# Altium PCB PROB_S7CAS_PCB.PcbDoc (part 5 of 6) (continued)
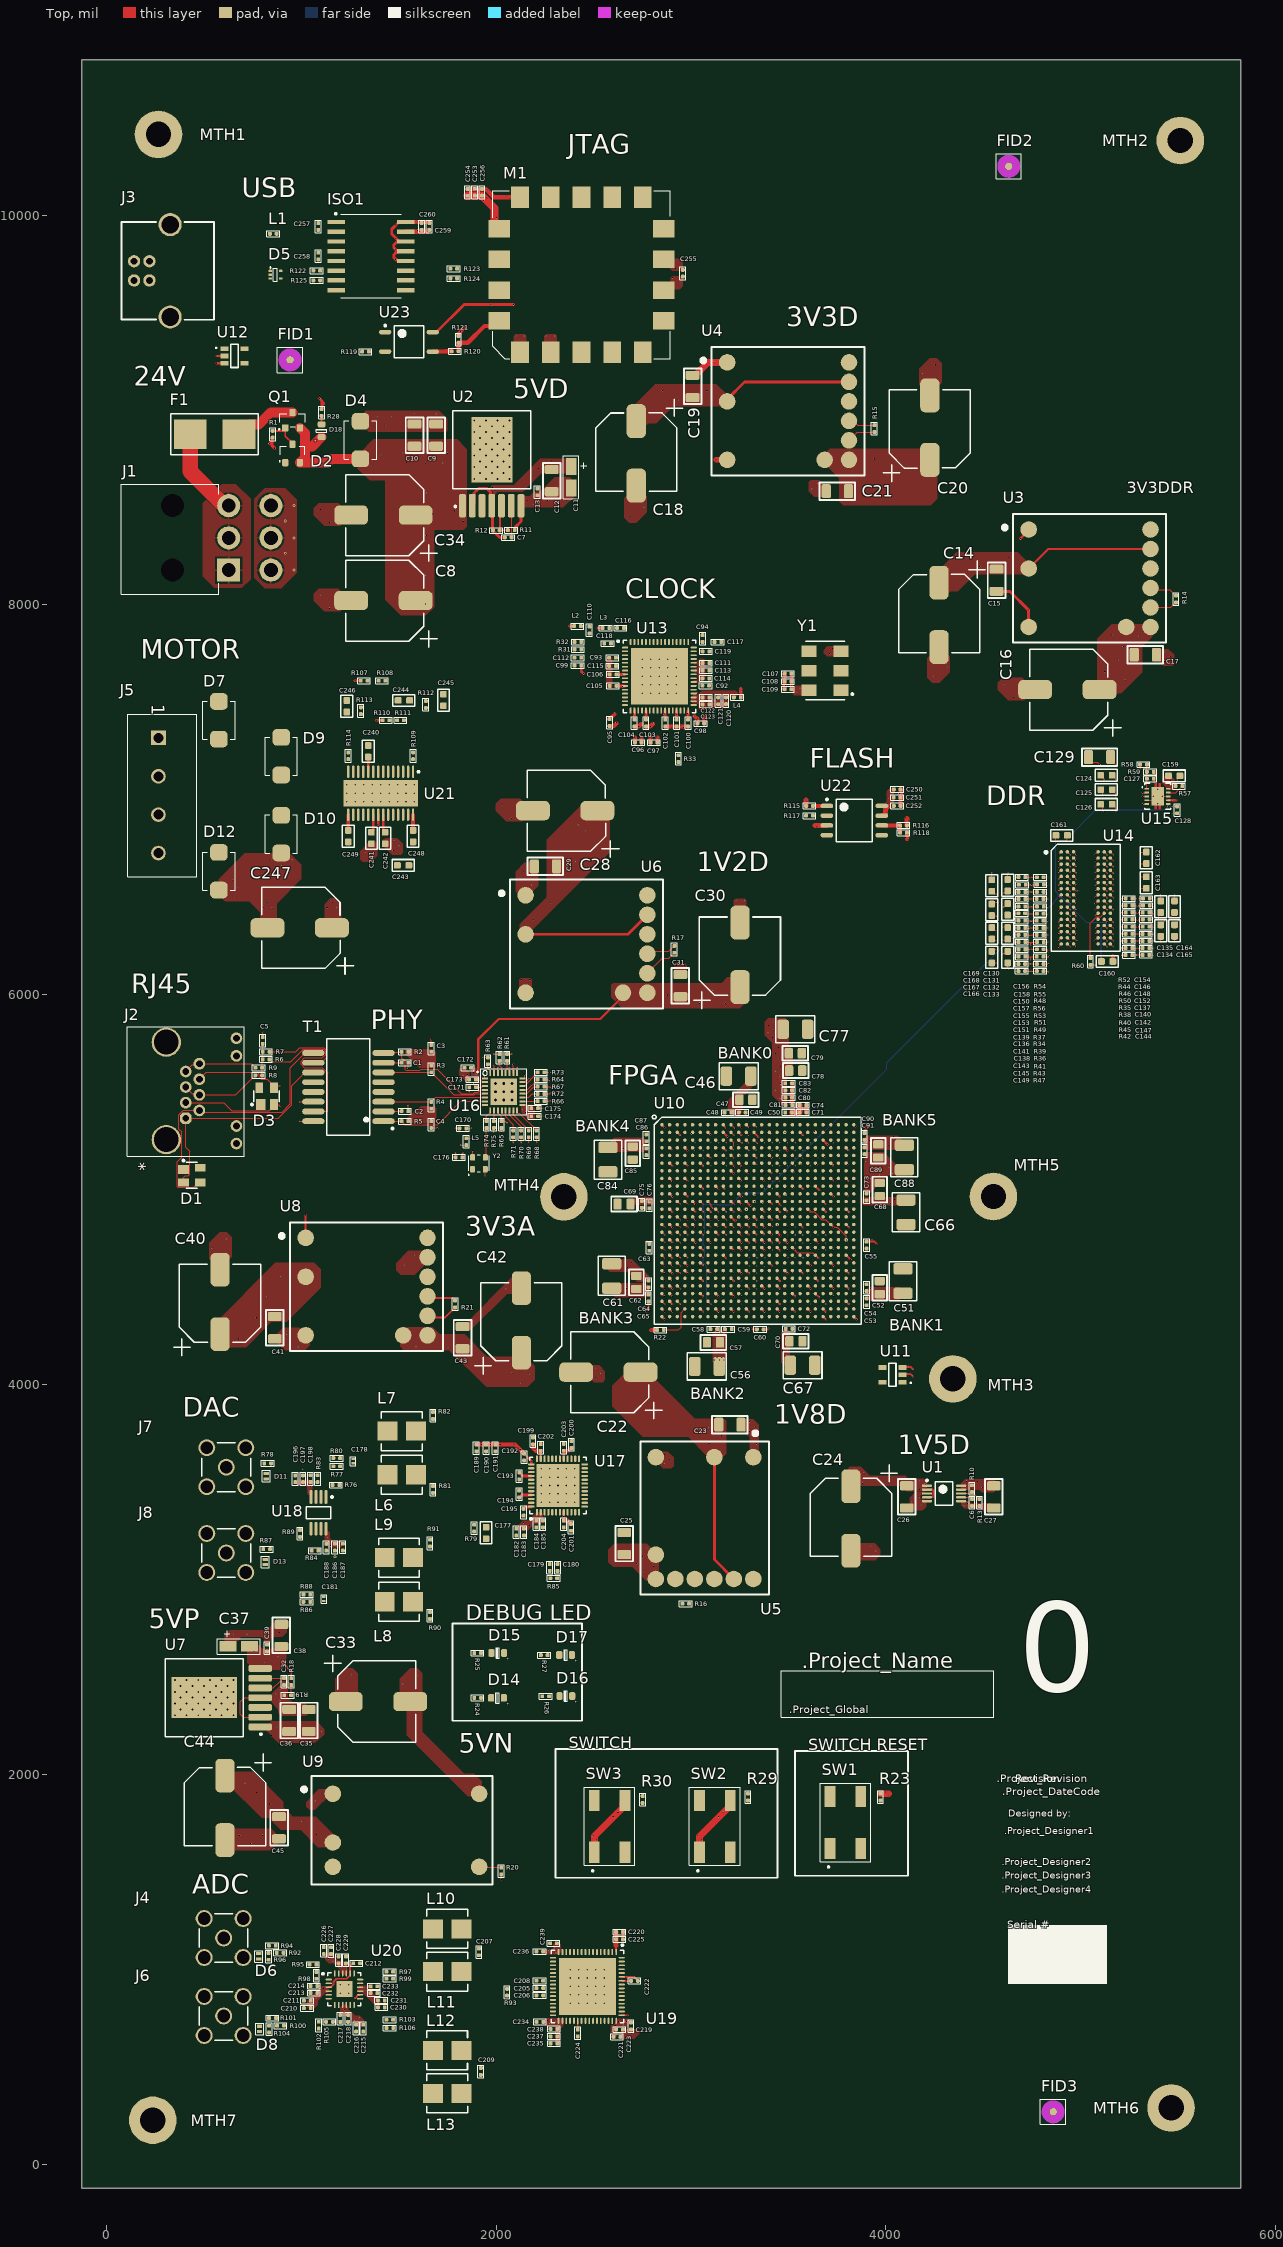
[diagram p0: Top view]
## Nets (pads, with @x,y where several pads share a name; then routed paths per layer and width w, separated by ;. In a path a pad name is that pad's centre, name@x,y a point inside that pad or via, vN(x,y) a via of type N, cw(c..) or ccw(c..) an arc to the next point about the centre after c; other vN are vias at no path point) (continued)
  Top w4: U7.2@789.57,2293.58 703.56,2293.58 687.54,2309.6 687.54,2371.79 709.33,2393.58 U7.4@789.57,2393.58 ; C5.1@802.62,5782.81 v1(802.63,5810) ; C2.1@1550.02,5402.78 v1(1550.02,5433.3) ; v1(1550.02,5620) C1.1@1550.02,5650.94 ; C3.1@1667.18,5742.37 1667.58,5742.76 1667.58,5773.85 v1(1667.97,5774.25) ; C4.1@1667.34,5316.24 1697.19,5316.24 1699.19,5314.24 v1(1700,5314.24) ; v1(1789.65,5190) 1789.65,5189.19 1792.42,5186.41 C176.1@1792.42,5165.59 ; v1(1789.65,5314.24) C170.1@1811.79,5314.24 ; v1(1861.65,5501.25) 1861.84,5501.44 1861.84,5525.19 C171.1@1862.03,5525.38 ; v1(1931.73,5594.33) 1942.56,5583.51 U16.1@1942.56,5571.1 ; v1(1944.51,5070) Y2.2@1944.51,5104.57 ; v1(1988.58,5293.54) R75.1@1988.58,5316.56 ; v1(2026.16,1460) R20.1@2026.16,1487.26 ; C174.1@2215.29,5376.25 2215.36,5376.31 2239.22,5376.31 v1(2239.28,5376.38) ; C175.1@2215.29,5417.78 v1(2239.28,5417.78) ; U13.36@3013.66,7544.99 3025.16,7544.99 3032.49,7552.32 v1(3032.77,7552.32) ; C166.1@4543.01,6163.39 4543.37,6163.75 4568.83,6163.75 4571.34,6161.24 v1(4572.15,6161.24) ; C167.1@4543.02,6344.21 4556.08,6331.14 4559.36,6331.14 4560.5,6330 v1(4570,6330) ; C168.1@4543.02,6405.57 4544.23,6404.35 4569.19,6404.35 4570.78,6402.76 v1(4571.59,6402.76) ; C169.1@4543.02,6589.42 v1(4543.01,6624.15) ; v1(4600,6348.76) 4620,6348.76 C132.1@4624.46,6344.31 ; v1(4602.5,6413) 4619.96,6413 C131.1@4624.46,6408.49 ; v1(4624.24,6130.21) 4624.24,6163.17 C133.1@4624.46,6163.39 ; C130.1@4624.46,6591.52 v1(4624.46,6624.15) ; v1(4647.96,6284.02) 4654.79,6277.19 4654.79,6274.59 4659.25,6270.13 C141.1@4680.19,6270.13 ; v1(4655.86,6161.84) 4656.68,6161.84 4660.81,6157.7 C145.1@4679.19,6157.7 ; v1(4657.43,6188.35) 4658.24,6188.35 4664.19,6194.3 4679.13,6194.3 C143.1@4680.19,6195.35 ; v1(4660,6306.78) C136.1@4679.43,6306.78 ; v1(4660,6342.33) C139.1@4679.43,6342.32 ; v1(4660,6379.87) 4660.19,6380.06 4679.2,6380.06 C151.1@4679.4,6380.26 ; v1(4660,6417.71) C153.1@4679.22,6417.71 ; v1(4660,6491.18) C157.1@4680,6491.18 ; v1(4660,6527.04) C150.1@4680.01,6527.04 ; v1(4660,6564.28) C158.1@4682.03,6564.28 ; v1(4660,6602.35) 4660.48,6602.83 4679.29,6602.83 C156.1@4679.77,6603.31 ; v1(4661.11,6120.14) 4661.66,6120.69 4678.64,6120.69 C149.1@4679.19,6121.25 ; v1(4663.35,6449.81) 4663.93,6450.38 4676.87,6450.38 C155.1@4679.65,6453.16 ; v1(4666.05,6226.21) 4666.62,6226.78 4674.96,6226.78 4675.23,6226.51 C138.1@4680.44,6231.72 ; v1(4884.95,6246.87) 4885.31,6246.87 4898.88,6260.44 U14.T1@4899.24,6260.44 ; v1(4884.95,6309.86) 4885.31,6309.86 4898.88,6323.44 U14.P1@4899.24,6323.44 ; v1(4884.95,6372.86) 4885.31,6372.86 4898.88,6386.43 U14.M1@4899.24,6386.43 ; v1(4884.95,6530.34) 4885.31,6530.34 4898.88,6543.91 U14.G1@4899.24,6543.91 ; v1(4884.95,6593.33) 4885.31,6593.33 4898.88,6606.9 U14.E1@4899.24,6606.9 ; v1(4884.95,6631.15) 4885.52,6631.72 4888.86,6631.72 4895.53,6638.4 U14.D1@4899.24,6638.4 ; v1(4884.95,6687.82) 4885.31,6687.82 4898.88,6701.39 U14.B1@4899.24,6701.39 ; C161.1@4930.74,6817.21 4930.78,6817.17 v1(4930.78,6790) ; U14.J2@4930.78,6480.92 v1@4945.03,6466.67 ; U14.E2@4930.78,6606.9 v1@4945.03,6592.65 ; U14.B3@4962.24,6701.39 4962.37,6701.39 4976.43,6687.32 v1(4976.57,6687.32) ; C129.1@5038.62,7219 5038.62,7214.53 5059.66,7193.49 5083.27,7193.49 v1(5095.92,7180.83) ; C126.1@5101.69,6976.66 5111.24,6967.11 5111.24,6948.48 v1(5119.72,6940) ; C125.1@5101.69,7052.3 5111.24,7042.75 5111.24,7025.73 v1(5119.76,7017.21) ; C124.1@5101.69,7125.48 5101.69,7123.84 5119.14,7106.39 5119.14,7100.57 v1(5119.72,7100) ; U14.J8@5119.76,6480.92 v1(5134.05,6466.67) ; U14.G8@5119.76,6543.91 v1(5134.05,6529.66) ; U14.E8@5119.76,6606.9 v1(5134.05,6592.65) ; U14.D8@5119.76,6638.4 v1(5134.05,6624.15) ; U14.T9@5151.25,6260.44 v1(5165.54,6246.2) ; U14.P9@5151.25,6323.44 v1(5165.54,6309.19) ; U14.M9@5151.25,6386.43 v1(5165.54,6372.18) ; U14.G9@5151.25,6543.91 v1(5165.54,6529.66) ; U14.F9@5151.25,6575.41 v1(5165.54,6561.16) ; U14.B9@5151.25,6701.39 v1(5165.54,6687.14) ; U14.A9@5151.25,6732.89 v1(5165.54,6718.64) ; v1(5303.72,6543.91) 5304.53,6543.91 5306.53,6545.91 C163.1@5335.62,6545.91 ; v1(5303.72,6732.89) 5304.53,6732.89 5305.84,6731.57 C162.1@5335.63,6731.57 ; U15.4@5338.6,6997.53 5374.03,6997.53 U15.11@5393.72,7017.21 ; C144.1@5350.95,6204.3 5369.11,6204.3 5370.27,6203.14 v1(5371.08,6203.14) ; C147.1@5351.36,6239.5 v1(5371.08,6239.49) ; C142.1@5351.36,6275.7 v1(5371.08,6275.69) ; C140.1@5351.36,6311.16 v1(5371.08,6311.16) ; C148.1@5352.18,6421.4 v1(5373.6,6421.39) ; C137.1@5352.23,6348.76 v1(5371.08,6348.76) ; C152.1@5352.75,6385.62 5353.15,6386.03 5373.2,6386.03 v1(5373.6,6386.43) ; C146.1@5353.3,6457.65 v1(5373.6,6457.65) ; C154.1@5353.3,6493.75 v1(5373.6,6493.74) ; v1(5408.18,6512.41) 5408.18,6511.6 5409.47,6510.32 C135.1@5409.47,6480.92 ; v1(5409.47,6270.13) C134.1@5409.47,6299.4 ; v2(5416.35,7017.21) U15.8@5448.84,7017.21 ; v1(5474.33,6930.83) C128.1@5493.72,6930.83 ; v1(5480.26,6270.13) C165.1@5480.27,6299.4 ; C164.1@5480.26,6480.92 v1(5480.27,6512.41) ; v1(5493.72,7100) 5493.72,7100.81 5494.77,7101.87 5494.77,7109.79 C159.1@5507.84,7122.85
  Top w10: U8.1@1022.94,4752.5 v1(1022.94,4871.25) ; U19.49@2644.33,764.52 v1(2677.17,764.52) ; U19.59@2644.33,961.37 2706.63,961.37 C222.1@2726.97,941.03 ; v1(2770.81,4375.09) 2782.1,4386.38 C65.1@2782.1,4426.2 ; U10.AF1@2850.68,4348.66 v1(2865.01,4334.41) ; U10.A1@2850.68,5332.91 v1(2865.01,5318.66) ; U10.AB2@2890.05,4506.14 v1@2904.34,4491.89 ; U10.V2@2890.05,4663.62 v1@2904.34,4649.37 ; U10.P2@2890.05,4821.1 v1@2904.34,4806.85 ; U10.K2@2890.05,4978.58 v1@2904.34,4964.33 ; U10.F2@2890.05,5136.06 v1@2904.34,5121.81 ; U10.Y4@2968.79,4584.88 v1(2983.12,4570.63) ; U10.H4@2968.79,5057.32 v1(2983.12,5043.07) ; U10.D4@2968.79,5214.8 v1(2983.12,5200.55) ; v1(3001.42,5287.3) 3007.66,5293.54 U10.B5@3008.16,5293.54 ; U10.T5@3008.16,4742.36 3022.06,4728.5 v1(3022.06,4728.11) ; U10.M5@3008.16,4899.84 v1@3021.85,4886.2 ; U10.AE6@3047.53,4388.03 v1(3061.82,4373.78) ; U10.Y7@3086.9,4584.88 v1(3101.23,4570.63) ; U10.E7@3086.9,5175.43 v1(3101.23,5161.18) ; U10.AC8@3126.27,4466.77 v1(3140.6,4452.52) ; U10.R8@3126.27,4781.73 v1(3140.6,4767.48) ; U10.J8@3126.27,5017.95 v1(3140,5004.31) ; U10.B9@3165.64,5293.54 3187.04,5272.14 v1(3187.12,5272.14) ; U10.AE10@3205.05,4388.03 v1(3219.34,4373.78) ; U10.Y11@3244.38,4584.88 v1(3258.71,4570.63) ; U10.U11@3244.38,4702.99 v1(3258.71,4688.74) ; U10.R11@3244.38,4781.73 3257.66,4768.5 v1(3258.71,4768.5) ; U10.L11@3244.38,4939.21 v1(3258.71,4924.96) ; U10.N11@3244.47,4860.47 v1(3245.9,4859.03) ; U10.H11@3244.46,5057.32 v1(3254.11,5047.67) ; U10.E11@3244.46,5175.43 v1(3248.08,5171.81) ; U10.AB12@3283.75,4506.14 v1@3298.04,4491.89 ; U10.T12@3283.75,4742.36 v1@3298.04,4728.11 ; U10.P12@3283.75,4821.1 v1@3298.04,4806.85 ; U10.M12@3283.75,4899.84 v1(3285.27,4898.4) ; U10.R13@3323.16,4781.73 3336.4,4768.5 v1(3337.45,4768.5) ; U10.N13@3323.16,4860.47 v1@3337.41,4846.22 ; U10.L13@3323.21,4939.21 v1(3324.64,4937.77) ; U10.B13@3323.3,5291.28 3325.39,5291.28 3345.34,5271.33 v1(3345.34,5269.06) ; U10.AE14@3362.49,4388.03 v1(3376.82,4373.78) ; U10.T14@3362.49,4742.36 v1(3376.82,4728.11) ; U10.P14@3362.49,4821.1 v1(3376.82,4806.85) ; U10.M14@3362.49,4899.84 v1(3376.82,4885.59) ; C60.1@3372.63,4283.03 3392.89,4283.03 v1(3398.65,4288.79) ; U10.W15@3401.86,4624.25 v1(3416.19,4610) ; U10.R15@3401.86,4781.73 3402.96,4781.73 v1(3413.79,4770.91) ; U10.N15@3401.86,4860.47 v1(3416.19,4846.22) ; U10.L15@3401.86,4939.21 v1(3416.19,4924.96) ; U10.E15@3401.86,5175.43 v1(3413.39,5163.99) ; U10.AD16@3441.23,4427.4 3455.48,4413.15 v1(3455.56,4413.15) ; U10.AB16@3441.27,4506.14 v1@3455.52,4491.89 ; U10.T16@3441.23,4742.36 v1@3455.48,4728.11 ; U10.M16@3441.27,4899.84 v1@3455.52,4885.59 ; U10.K16@3441.27,4978.58 v1@3455.52,4964.33 ; U10.P16@3441.32,4821.1 v1(3443.03,4819.38) ; U10.B17@3480.6,5293.54 3480.69,5293.54 v1(3481.87,5292.36) ; U10.AE18@3519.97,4388.03 v1@3534.22,4373.78 ; U10.J19@3559.34,5017.95 v1@3573.59,5003.7 ; U10.P19@3559.38,4821.1 v1@3573.63,4806.85 ; U10.F19@3559.43,5136.06 v1(3565.05,5130.44) ; U10.AB20@3598.75,4506.14 v1(3613.04,4491.89) ; U10.W20@3598.75,4624.25 v1@3613.45,4609.56 ; v1(3634.1,5297.6) U10.B21@3638.12,5293.58 ; U10.T21@3638.08,4742.36 v1(3652.41,4728.11) ; U10.M22@3677.45,4899.84 U10.M22@3677.45,4899.84 v1(3691.78,4885.59) ; U10.AE22@3677.45,4388.03 v1@3691.74,4373.78 ; U10.E22@3677.45,5175.43 v1(3684.52,5168.45) ; U10.H23@3716.82,5057.32 3716.91,5057.32 v1(3728.66,5045.56) ; U10.Y23@3716.91,4584.88 v1(3723.15,4578.63) ; U10.P25@3795.56,4821.1 v1(3810.34,4806.41) v1(3810.34,4806.41) ; U10.AB25@3795.56,4506.14 v1(3809.9,4491.89) ; U10.V25@3795.56,4663.62 v1@3818.82,4640.4 ; U10.K25@3795.56,4978.58 v1(3805.46,4968.77) ; U10.F25@3795.56,5136.06 v1(3802.45,5129.25) ; U10.AF26@3834.93,4348.66 v1@3849.18,4334.41 ; U10.A26@3835.02,5332.91 v1(3843,5324.93) ; C90.1@3889.62,5290.39 3891.94,5292.72 3891.94,5305.76 3901.9,5315.72 3901.9,5325.45 v1(3905.48,5329.04) ; U11.2@4083.97,4050.11 4087.06,4053.2 4126.88,4053.2 v1(4138.18,4041.91) ; R60.1@5049.15,6153.1 5049.69,6152.55 v1(5070.51,6152.55) ; C127.1@5373.6,7107.85 5374.03,7107.42 v1(5374.03,7090.95) ; R59.1@5373.6,7143.19 5373.6,7142.65 5383.87,7132.38 v1(5383.87,7125.48)
  Top w12: v1(566.08,9276.73) U12.2@606.61,9276.73 ; v1(1395,6871.95) U21.21@1395,6923.34
  Top w15: v1(836.99,8828.11) 842.38,8828.11 851.16,8836.9 ; R1.1@853.66,8857.86 851.16,8855.36 851.16,8836.9 ; v1(863.85,8803.32) 851.16,8816.01 851.16,8836.9 ; v1(1094.45,9058.87) 1107.14,9046.18 1107.14,9025.29 ; R28.1@1107.14,9006.83 1107.14,9025.29 ; 1115.93,9034.08 1107.14,9025.29 ; U2.2@1877.79,8508.59 1886.81,8517.61 v1(1886.81,8574.02) 1908.99,8596.19 1953.49,8596.19 1972.22,8577.46 1972.22,8514.16 U2.4@1977.79,8508.59 1980.74,8505.64 1980.74,8384.34 R12.1@1983.24,8381.84 2019.15,8345.93 C7.1@2044.6,8345.93 ; C220.1@2650.52,1191.21 2650.65,1191.08 2650.65,1153.71 C225.1@2650.79,1153.58 ; C19.1@3007.79,9177.49 C19.1@3019.79,9177.49 ; U4.3@3184.62,8744.25 U4.3@3185.29,8743.58 ; C15.1@4567.24,8069.23 4635.64,8069.23 v1(4732.25,7972.62) U3.3@4732.25,7886.51 ; v1(4690,8340) 4732.25,8382.25 U3.1@4732.25,8386.51
  Top w20: C96.1@2746.71,7293.58 2746.71,7319.76 ; C97.1@2827.64,7293.58 2827.64,7319.76 ; v1(3513.97,5458.35) 3513.97,5439.12 C81.1@3519.05,5434.04 ; v1(3515.68,5493.43) 3515.68,5475.64 3519.05,5472.27 3519.05,5453.09 ; C83.1@3518.43,5545.94 3519.05,5545.32 3519.05,5527.7 3519.05,5509.1 v1@3519.05,5493.43 ; v1(3589.83,5417.21) 3589.83,5398.46 C71.1@3591.7,5396.58 ; v1@3591.45,5417.21 C74.1@3591.45,5433.88
  Top w22: ISO1.15@1536.04,9914.57 1647.98,9914.57 C259.1@1657.27,9923.86 ; R121.1@1807.04,9379.25 1807.04,9392.6 v1(1834.06,9419.61) ; C254.1@1852.91,10133.91 1946.67,10133.91 1989.36,10091.22 M1.14@2122.83,10091.22 ; C95.1@2582.48,7378.58 v1(2604.91,7378.58) 2617.79,7391.47 ; C104.1@2709.53,7376.08 v1(2731.95,7376.08) 2744.84,7388.97 ; C103.1@2768.58,7376.08 v1(2791.01,7376.08) 2803.9,7388.97 ; C102.1@2867.48,7376.08 C101.1@2926.06,7376.08 2984.8,7376.08 C100.1@2985.12,7376.39 ; C98.1@3067.48,7391.71 3067.48,7424.13 ; C109.1@3479.98,7567.11 C108.1@3479.98,7607.11 3479.98,7646.8 C107.1@3480.29,7647.11 ; C252.1@4075.29,6968.58 C250.1@4075.29,7053.58 ; 4107.48,6800.01 R118.1@4107.48,6831.07 ; C160.1@5164.23,6170.6 v1(5164.23,6195.35)
  Top w30: v1(3129.05,8744.25) U4.3@3184.62,8744.25
  Top w35: C19.1@3019.79,9177.49 v1(3052.79,9210.49) 3085.88,9243.58 U4.1@3185.29,9243.58
  other v1: 2663.87,651.51 2695.88,669.59 2721.86,682.96 2664.51,961.26 2705.5,961.38 2658.75,1166.83 2643.27,1177.43 740.6,1645.22 684.09,1687.41 801.74,1687.41 1071.5,1863.67 1100.82,1900.58 890.97,2383.59 866.34,2410.58 889.36,2437.55 1190.68,2463.64 1258.41,2510.38 824.76,2697.04 654.55,2722.04 722.07,2722.04 888.93,2726.51 3922.06,3122.15 3950.95,3145.96 3923.49,3171.8 4498.01,3360.53 4152.58,3366.41 4400.42,3377.77 4509.83,3378.54 4178.35,3381.92 4419.23,3390.6 4129.08,3395.83 4167.67,3422.29 4152.72,3439.7 1008.49,3566.35 2862.13,3592.98 2891.02,3616.78 2863.56,3642.62 3309.88,3679.84 3336.11,3697.12 3298.72,3759.97 3327.61,3783.77 3300.15,3809.61 2508.73,4034.71 4117.53,4056.96 2537.62,4058.51 2510.15,4084.35 984.62,4192.5 926.32,4258.58 1889.03,4325.84 3849.27,4334.41 3534.3,4373.78 3691.78,4373.78 2785.86,4395.73 2052.48,4490.52 2904.38,4491.89 3298.08,4491.89 3455.56,4491.89 2742.06,4531.03 2771.23,4557.54 2672.56,4600.68 3613.49,4609.56 2695.82,4625.03 3818.86,4640.4 2904.38,4649.37 544.41,4700 3298.08,4728.11 3455.56,4728.11 612.14,4746.75 2904.38,4806.85 3298.08,4806.85 3573.67,4806.85 3337.45,4846.22 3021.89,4886.2 3455.56,4885.59 2904.38,4964.33 3456.17,4964.67 3900.62,5002.59 3573.67,5003.7 3918.92,5055.41 3962.21,5075.05 4031.35,5084.46 4017.51,5115.46 3941.9,5120.89 2904.38,5121.81 3896.62,5142.16 3907.19,5182.81 3900.17,5317.44 3518.7,5527.7 1830.28,5590 1853.14,5590 2129.15,6077.13 2172.49,6077.46 2924.37,6149.9 2967.71,6150.23 852.41,6445.28 802.77,6446.71 4945.07,6466.67 828.61,6474.18 3229.1,6484.93 3272.44,6485.26 650.95,6505.24 676.18,6549.91 2185.75,6562.81 648.91,6589.12 4945.07,6592.65 2139,6630.55 901.22,6664.82 953.05,6689.37 845.99,6692.44 1349.64,6702.7 1375.48,6730.17 1325.83,6731.59 4112.83,6796.03 4100.56,6807.21 2078.13,6904.76 2031.38,6972.49 4081.57,6990.37 4068.94,7032.26 2750.71,7312.44 2831.63,7312.44 2741.42,7321.87 2822.35,7321.87 2903.08,7369.56 2962.27,7371.41 2889.38,7383.02 2947.41,7383.48 2743.86,7393.97 2802.91,7393.97 2616.81,7396.47 3073.38,7412.37 3061.27,7427.11 3159.48,7494.38 3116.47,7496.14 4654.5,7525.84 3484.95,7586.77 4607.75,7593.57 3473.37,7627.56 4243.88,7634.61 4311.62,7681.36 5430.2,7709.84 5459.09,7733.65 3710.83,7749.49 5431.63,7759.49 3724.69,7776.45 1145.51,7982.31 1098.76,8050.05 1145.92,8421.29 2690.9,8454.7 1099.17,8489.03 2758.63,8501.44 3649.91,8568.22 1995.63,8583.55 3622.44,8594.06 1980.08,8601.32 3651.33,8617.86 2217.58,8699.44 2338.58,8711.13 2282.72,8741.81 1430.83,8918.77 1391.23,8964.35 1463.19,8964.51 1689.54,8978.99 1579.44,8981.7 1121.31,9034.08 4185.58,9184.99 4253.32,9231.74 3117.96,9244.07 2100.61,9379.27 2143.96,9379.6 1817.85,9403.39 2945.92,9651.17 2904.62,9678.74 1637.76,9907 1595.93,9921.51 2071,10084.37 2050.61,10097.8 1871.78,10127.74 1952.83,10127.74 1909.49,10142.15
  other v2: 2381.53,825.55 2424.84,825.55 2468.15,825.55 2511.46,825.55 2554.76,825.55 2381.53,868.85 2424.84,868.85 2468.15,868.85 2511.46,868.85 2554.76,868.85 2381.53,912.16 2424.84,912.16 2468.15,912.16 2511.46,912.16 2554.76,912.16 2381.53,955.47 2424.84,955.47 2468.15,955.47 2511.46,955.47 2554.76,955.47 2381.53,998.77 2424.84,998.77 2468.15,998.77 2511.46,998.77 2554.76,998.77 2230.93,3395.51 2274.24,3395.51 2317.54,3395.51 2360.85,3395.51 2404.16,3395.51 2230.93,3438.82 2274.24,3438.82 2317.54,3438.82 2360.85,3438.82 2404.16,3438.82 2230.93,3482.13 2274.24,3482.13 2317.54,3482.13 2360.85,3482.13 2404.16,3482.13 2230.93,3525.43 2274.24,3525.43 2317.54,3525.43 2360.85,3525.43 2404.16,3525.43 2230.93,3568.74 2274.24,3568.74 2317.54,3568.74 2360.85,3568.74 2404.16,3568.74 5393.72,6979.81 1234.57,6990.27 1277.87,6990.27 1321.18,6990.27 1364.49,6990.27 1407.79,6990.27 1451.1,6990.27 1494.41,6990.27 1537.71,6990.27 1581.02,6990.27 5371.08,7017.21 1234.57,7033.58 1277.87,7033.58 1321.18,7033.58 1364.49,7033.58 1407.79,7033.58 1451.1,7033.58 1494.41,7033.58 1537.71,7033.58 1581.02,7033.58 5393.72,7054.61 1234.57,7076.88 1277.87,7076.88 1321.18,7076.88 1364.49,7076.88 1407.79,7076.88 1451.1,7076.88 1494.41,7076.88 1537.71,7076.88 1581.02,7076.88 2750.86,7546.96 2794.17,7546.96 2837.48,7546.96 2880.79,7546.96 2924.09,7546.96 2750.86,7590.27 2794.17,7590.27 2837.48,7590.27 2880.79,7590.27 2924.09,7590.27 2750.86,7633.58 2794.17,7633.58 2837.48,7633.58 2880.79,7633.58 2924.09,7633.58 2750.86,7676.88 2794.17,7676.88 2837.48,7676.88 2880.79,7676.88 2924.09,7676.88 2750.86,7720.19 2794.17,7720.19 2837.48,7720.19 2880.79,7720.19 2924.09,7720.19
  other v3: 351.97,2303.58 411.97,2303.58 471.97,2303.58 531.97,2303.58 591.97,2303.58 651.97,2303.58 381.97,2333.58 441.97,2333.58 501.97,2333.58 561.97,2333.58 621.97,2333.58 351.97,2363.58 411.97,2363.58 471.97,2363.58 531.97,2363.58 591.97,2363.58 651.97,2363.58 381.97,2393.58 441.97,2393.58 501.97,2393.58 561.97,2393.58 621.97,2393.58 351.97,2423.58 411.97,2423.58 471.97,2423.58 531.97,2423.58 591.97,2423.58 651.97,2423.58 381.97,2453.58 441.97,2453.58 501.97,2453.58 561.97,2453.58 621.97,2453.58 351.97,2483.58 411.97,2483.58 471.97,2483.58 531.97,2483.58 591.97,2483.58 651.97,2483.58 1887.79,8646.19 1947.79,8646.19 2007.79,8646.19 2067.79,8646.19 1917.79,8676.19 1977.79,8676.19 2037.79,8676.19 1887.79,8706.19 1947.79,8706.19 2007.79,8706.19 2067.79,8706.19 1917.79,8736.19 1977.79,8736.19 2037.79,8736.19 1887.79,8766.19 1947.79,8766.19 2007.79,8766.19 2067.79,8766.19 1917.79,8796.19 1977.79,8796.19 2037.79,8796.19 1887.79,8826.19 1947.79,8826.19 2007.79,8826.19 2067.79,8826.19 1917.79,8856.19 1977.79,8856.19 2037.79,8856.19 1887.79,8886.19 1947.79,8886.19 2007.79,8886.19 2067.79,8886.19 1917.79,8916.19 1977.79,8916.19 2037.79,8916.19 1887.79,8946.19 1947.79,8946.19 2007.79,8946.19 2067.79,8946.19
  other v4: 962.86,8178.22 918.25,8264.86 962.86,8343.58 918.25,8430 962.86,8508.93
  other v5: 1172.74,3116.63
JTAG_CTS: M1.3 U10.A6
JTAG_RTS: M1.4 U10.B6
JTAG_RXD: M1.5 U10.F7
JTAG_TCK: M1.10 U10.E21
JTAG_TDI: M1.12 U10.F20
JTAG_TDO: M1.11 U10.A24
JTAG_TMS: M1.13 U10.C23
JTAG_TXD: M1.6 U10.G8
KSZ_RXM: R2.2 T1.8 U16.4 | length 665.8
  Top w4: T1.8@1422.52,5701.25 1425.43,5704.16 1511.79,5704.16 R2.2@1514.7,5707.07 1514.7,5674.81 1534.71,5654.8 1534.71,5615.59 1538.8,5611.5 1609.29,5611.5 1614.98,5617.19 1677.78,5617.19 1678.2,5616.77 1697.19,5616.77 1821.21,5492.75 1883.82,5492.75 1890.43,5499.36 1909.16,5499.36 1921.84,5512.04 U16.4@1942.56,5512.04
KSZ_RXP: R3.2 T1.6 U16.5 | length 571
  Top w4: T1.6@1422.52,5601.25 1422.99,5601.72 1667.82,5601.72 1783.79,5485.75 1886.72,5485.75 1893.33,5492.36 U16.5@1942.56,5492.36
KSZ_TXM: R4.2 T1.3 U16.6 | length 529.4
  Top w4: T1.3@1422.52,5451.25 1423.12,5450.65 1667.94,5450.65 1689.97,5472.67 U16.6@1942.56,5472.67
KSZ_TXP: R5.2 T1.1 U16.7 | length 576.5
  Top w4: T1.1@1422.52,5351.25 R5.2@1514.7,5351.25 1532.03,5333.92 1700,5333.92 1819.07,5452.99 U16.7@1942.56,5452.99
NetC1_2: C1.2 T1.7 | length 92.6
  Top w4: T1.7@1422.52,5651.25 1422.67,5651.09 1514.86,5651.09 C1.2@1515.02,5650.94
NetC2_2: C2.2 T1.2 | length 93.1
  Top w4: T1.2@1422.52,5401.25 1513.48,5401.25 C2.2@1515.02,5402.78
NetC3_2: C3.2 R2.1 R3.1 | length 0.7
  Top w4: R2.1@1549.7,5707.07 R2.1@1549.85,5707.22 ; C3.2@1667.03,5707.22 C3.2@1667.18,5707.37 C3.2@1667.26,5707.28 ; R3.1@1667.26,5637.27 R3.1@1667.34,5637.19
NetC4_2: C4.2 R4.1 R5.1 | length 0
NetC5_2: C5.2 R6.1 R7.1 R8.1 R9.1 | length 162.7
  Top w4: R8.1@799.92,5586.19 R9.1@799.92,5625.52 801.27,5626.88 801.27,5666.66 R6.1@802.63,5668.01 R7.1@802.63,5707.07 C5.2@802.62,5747.81
NetC6_2: C6.2 U1.7 | length 59.9
  Top w4: U1.7@4385.39,3421.71 4429.93,3421.71 4439.27,3412.37 C6.2@4441.43,3412.37
NetC7_2: C7.2 U2.6 | length 163.4
  Top w4: U2.6@2077.79,8508.59 2079.6,8506.79 C7.2@2079.6,8345.93
NetC32_2: C32.2 U7.6 | length 122.6
  Top w4: U7.6@789.57,2493.58 790.08,2494.09 C32.2@911.96,2494.09
NetC92_2: C92.2 U13.38
NetC93_2: C93.2 U13.4
NetC94_2: C94.2 U13.48
NetC127_2: C127.2 R58.1 R59.2 U15.1 | length 124.3
  Top w4: U15.1@5338.6,7056.58 C127.2@5338.6,7107.85 R59.2@5338.6,7143.19 5338.66,7143.25 R58.1@5338.72,7180.83 R58.1@5338.72,7180.83
NetC177_2: C177.2 U17.42
NetC178_1: C178.1 L7.2 R80.1 | length 9
  Top w4: C178.1@1257.98,3622.71 C178.1@1262.97,3617.71 ; L7.2@1441.17,3761.21 L7.2@1443.14,3761.21
NetC178_2: C178.2 L6.2 R77.1 | length 6
  Top w4: C178.2@1262.97,3595.71 C178.2@1265.97,3595.71 C178.2@1268.97,3595.71
NetC179_2: C179.2 U17.3 U17.6
NetC180_2: C180.2 U17.4 U17.7
NetC181_1: C181.1 L9.2 R88.1
NetC181_2: C181.2 L8.2 R86.1
NetC205_2: C205.2 U19.25
NetC206_2: C206.2 U19.26
NetC207_1: C207.1 L11.2 U19.30
NetC207_2: C207.2 L10.2 U19.29
NetC209_1: C209.1 L13.2 U19.20
NetC209_2: C209.2 L12.2 U19.19
NetC241_2: C241.2 U21.20 | length 94
  Top w12: C241.2@1360.38,6833.08 1369.31,6842.01 1369.31,6923.25 U21.20@1369.41,6923.34
NetC242_1: C242.1 U21.22 | length 94.4
  Top w12: U21.22@1420.59,6923.34 1420.68,6923.25 1420.68,6842.89 C242.1@1430.5,6833.08
NetC243_1: C243.1 U21.24
NetC243_2: C243.2 U21.23
NetC244_2: C244.2 R110.1 R111.2 U21.5
NetC245_2: C245.2 R112.2 U21.6
NetC246_2: C246.2 R113.2 U21.9
NetC258_2: C258.2 ISO1.3 ISO1.4 ISO1.5
NetD2_3: D2.3 Q1.1 R1.2 | length 169.5
  Top w10: R1.2@853.66,8892.86 904.99,8892.86 Q1.1@918.25,8906.12 ; Q1.1@918.25,8908.09 Q1.1@918.25,8906.12 ; D2.3@955.65,8824.18 955.65,8828.11 918.25,8865.51 Q1.1@918.25,8906.12
NetD14_K: D14.K R24.2
NetD15_K: D15.K R25.2
NetD16_K: D16.K R26.2
NetD17_K: D17.K R27.2
NetD18_K: D18.K R28.2 | length 43.6
  Top w10: D18.K@1104.64,8925.74 R28.2@1104.64,8969.33
NetF1_2: F1.2 Q1.3 | length 320.8
  Top w50: F1.2@681.03,8875.36 731.03,8925.36 782.24,8925.36 843.71,8986.83 Q1.3@955.66,8986.83
NetISO1_6: ISO1.6 R122.1
NetISO1_7: ISO1.7 R125.1
NetISO1_10: ISO1.10 R124.2
NetISO1_11: ISO1.11 R123.2
NetJ2_4: J2.4 J2.5 R8.2 | length 415.1
  Top w4: J2.5@407.79,5526.25 441.79,5492.25 471.79,5492.25 J2.4@477.79,5486.25 664.98,5486.25 R8.2@764.92,5586.19
NetJ2_7: J2.7 J2.8 R9.2 | length 382.3
  Top w4: J2.7@407.79,5606.25 441.79,5640.25 471.79,5640.25 J2.8@477.79,5646.25 744.19,5646.25 R9.2@764.92,5625.52
NetL6_1: L6.1 R81.2 U17.47
NetL7_1: L7.1 R82.2 U17.46 | length 66.8
  Top w4: L7.1@1588.81,3761.21 L7.1@1636.02,3808.42
NetL8_1: L8.1 R90.2 U17.38
NetL9_1: L9.1 R91.2 U17.39
NetL10_1: L10.1 R97.2
NetL11_1: L11.1 R99.2
NetL12_1: L12.1 R103.2
NetL13_1: L13.1 R106.2
NetM1_16: M1.16 R123.1
NetM1_17: M1.17 R124.1
NetM1_18: M1.18 R120.1 R121.2 | length 298.4
  Top w22: R120.1@1807.04,9301.18 R121.2@1807.04,9344.25 1854.06,9344.25 1940.32,9430.5 1988.7,9430.5 M1.18@2015.55,9457.36
NetR6_2: R6.2 T1.15 | length 919.3
  Top w4: R6.2@837.63,5668.01 850.11,5655.53 946.01,5655.53 1011.73,5721.25 1113.3,5721.25 1125.02,5709.53 1125.02,5692.97 1108.3,5676.25 1016.73,5676.25 1000.02,5659.53 1000.02,5642.97 1016.73,5626.25 1108.3,5626.25 1135.19,5599.36 1135.19,5403.59 1132.85,5401.25 T1.15@1062.52,5401.25
NetR7_2: R7.2 T1.10 | length 424.6
  Top w4: R7.2@837.63,5707.07 972.22,5707.07 993.4,5728.25 1116.2,5728.25 1132.02,5712.43 1132.02,5678.25 1105.02,5651.25 T1.10@1062.52,5651.25
NetR10_1: R10.1 R13.2 U1.8 | length 112.4
  Top w4: U1.8@4385.39,3441.39 4431.85,3441.39 4439.03,3448.57 R10.1@4441.2,3448.57 4442.09,3448.57 4478.72,3411.94 R13.2@4479.61,3411.94
NetR11_1: R11.1 R12.2 U2.5 | length 172.4
  Top w10: R12.2@2019.05,8382.64 R11.1@2059.59,8382.64 ; R12.2@2020.74,8384.34 U2.5@2020.74,8501.54
  Top w15: R12.2@2018.24,8381.84 2019.05,8382.64 R12.2@2020.74,8384.34 ; U2.5@2020.74,8501.54 U2.5@2027.79,8508.59 ; R11.1@2059.59,8382.64 R11.1@2060.4,8383.45
NetR14_1: R14.1 U3.6 | length 141.2
  Top w4: U3.6@5357.25,7986.51 5462.27,7986.51 R14.1@5487.82,8012.06
NetR14_2: R14.2 U3.7 | length 146.9
  Top w4: U3.7@5357.25,8086.51 5365.2,8078.56 5456.33,8078.56 R14.2@5487.82,8047.06
NetR15_1: R15.1 U4.6 | length 148.1
  Top w4: U4.6@3810.29,8843.58 3853.4,8886.69 R15.1@3940.55,8886.69
NetR15_2: R15.2 U4.7 | length 139.3
  Top w4: U4.7@3810.29,8943.58 3832.21,8943.58 3854.1,8921.69 R15.2@3940.55,8921.69
NetR16_1: R16.1 U5.6
NetR16_2: R16.2 U5.7
NetR17_1: R17.1 U6.6 | length 182
  Top w4: U6.6@2776.02,6110.09 2851.94,6186.02 2885.06,6186.02 R17.1@2914.39,6215.34
NetR17_2: R17.2 U6.7 | length 155
  Top w4: U6.7@2776.02,6210.09 2788.27,6222.34 2886.39,6222.34 R17.2@2914.39,6250.34
NetR18_1: R18.1 R19.2 U7.5 | length 233.3
  Top w4: U7.5@789.57,2443.58 856.29,2443.58 888.93,2476.21 931.49,2476.21 R18.1@949.12,2458.58 948.69,2458.15 948.69,2406.44 R19.2@948.26,2406.01
NetR20_2: R20.2 U9.4 | length 114.7
  Top w4: U9.4@1912.79,1525.58 1914.45,1523.92 2024.5,1523.92 R20.2@2026.16,1522.26
NetR21_1: R21.1 U8.6 | length 163.6
  Top w10: U8.6@1647.76,4343.58 1737.15,4343.58 R21.1@1789.65,4396.08
NetR21_2: R21.2 U8.7 | length 147.1
  Top w10: U8.7@1647.76,4443.58 1776.61,4443.58 1789.11,4431.08 R21.2@1789.65,4431.08
NetR22_1: R22.1 U10.AE4 | length 197
  Top w4: R22.1@2860.01,4280.11 2935.25,4280.11 2949.51,4294.36 2949.51,4368.8 U10.AE4@2968.74,4388.03
NetR31_2: R31.2 U13.3
NetR32_2: R32.2 U13.2
NetR33_2: R33.2 U13.30
NetR57_1: R57.1 U15.9 | length 85.1
  Top w4: U15.9@5448.84,7036.9 5486.84,7036.9 R57.1@5520.12,7070.17
NetR60_2: R60.2 U14.L8 | length 270.6
  Top w4: R60.2@5049.15,6188.1 5049.15,6366.95 5082.48,6400.29 5102.08,6400.29 U14.L8@5119.72,6417.92
NetR63_1: R63.1 U16.32 | length 49.7
  Top w4: R63.1@1957.54,5643.14 1957.54,5622.06 1970.12,5609.49 U16.32@1970.12,5598.66
NetR74_1: R74.1 U16.9 | length 62.3
  Top w4: R74.1@1950.43,5351.56 1950.43,5375.23 1970.12,5394.92 U16.9@1970.12,5405.75
NetR74_2: R74.2 Y2.3 | length 153.4
  Top w4: Y2.3@1944.51,5165.59 1950.43,5171.51 R74.2@1950.43,5316.56
NetR75_2: R75.2 U16.10 | length 54.7
  Top w4: R75.2@1988.58,5351.56 1989.19,5352.17 1989.19,5405.14 U16.10@1989.8,5405.75
NetR76_1: R76.1 R77.2 U18.2
NetR76_2: R76.2 R78.1 U18.1
NetR79_2: R79.2 U17.43
NetR80_2: R80.2 R83.2 U18.3